# KiCad board Bread70.kicad_pcb (continued)
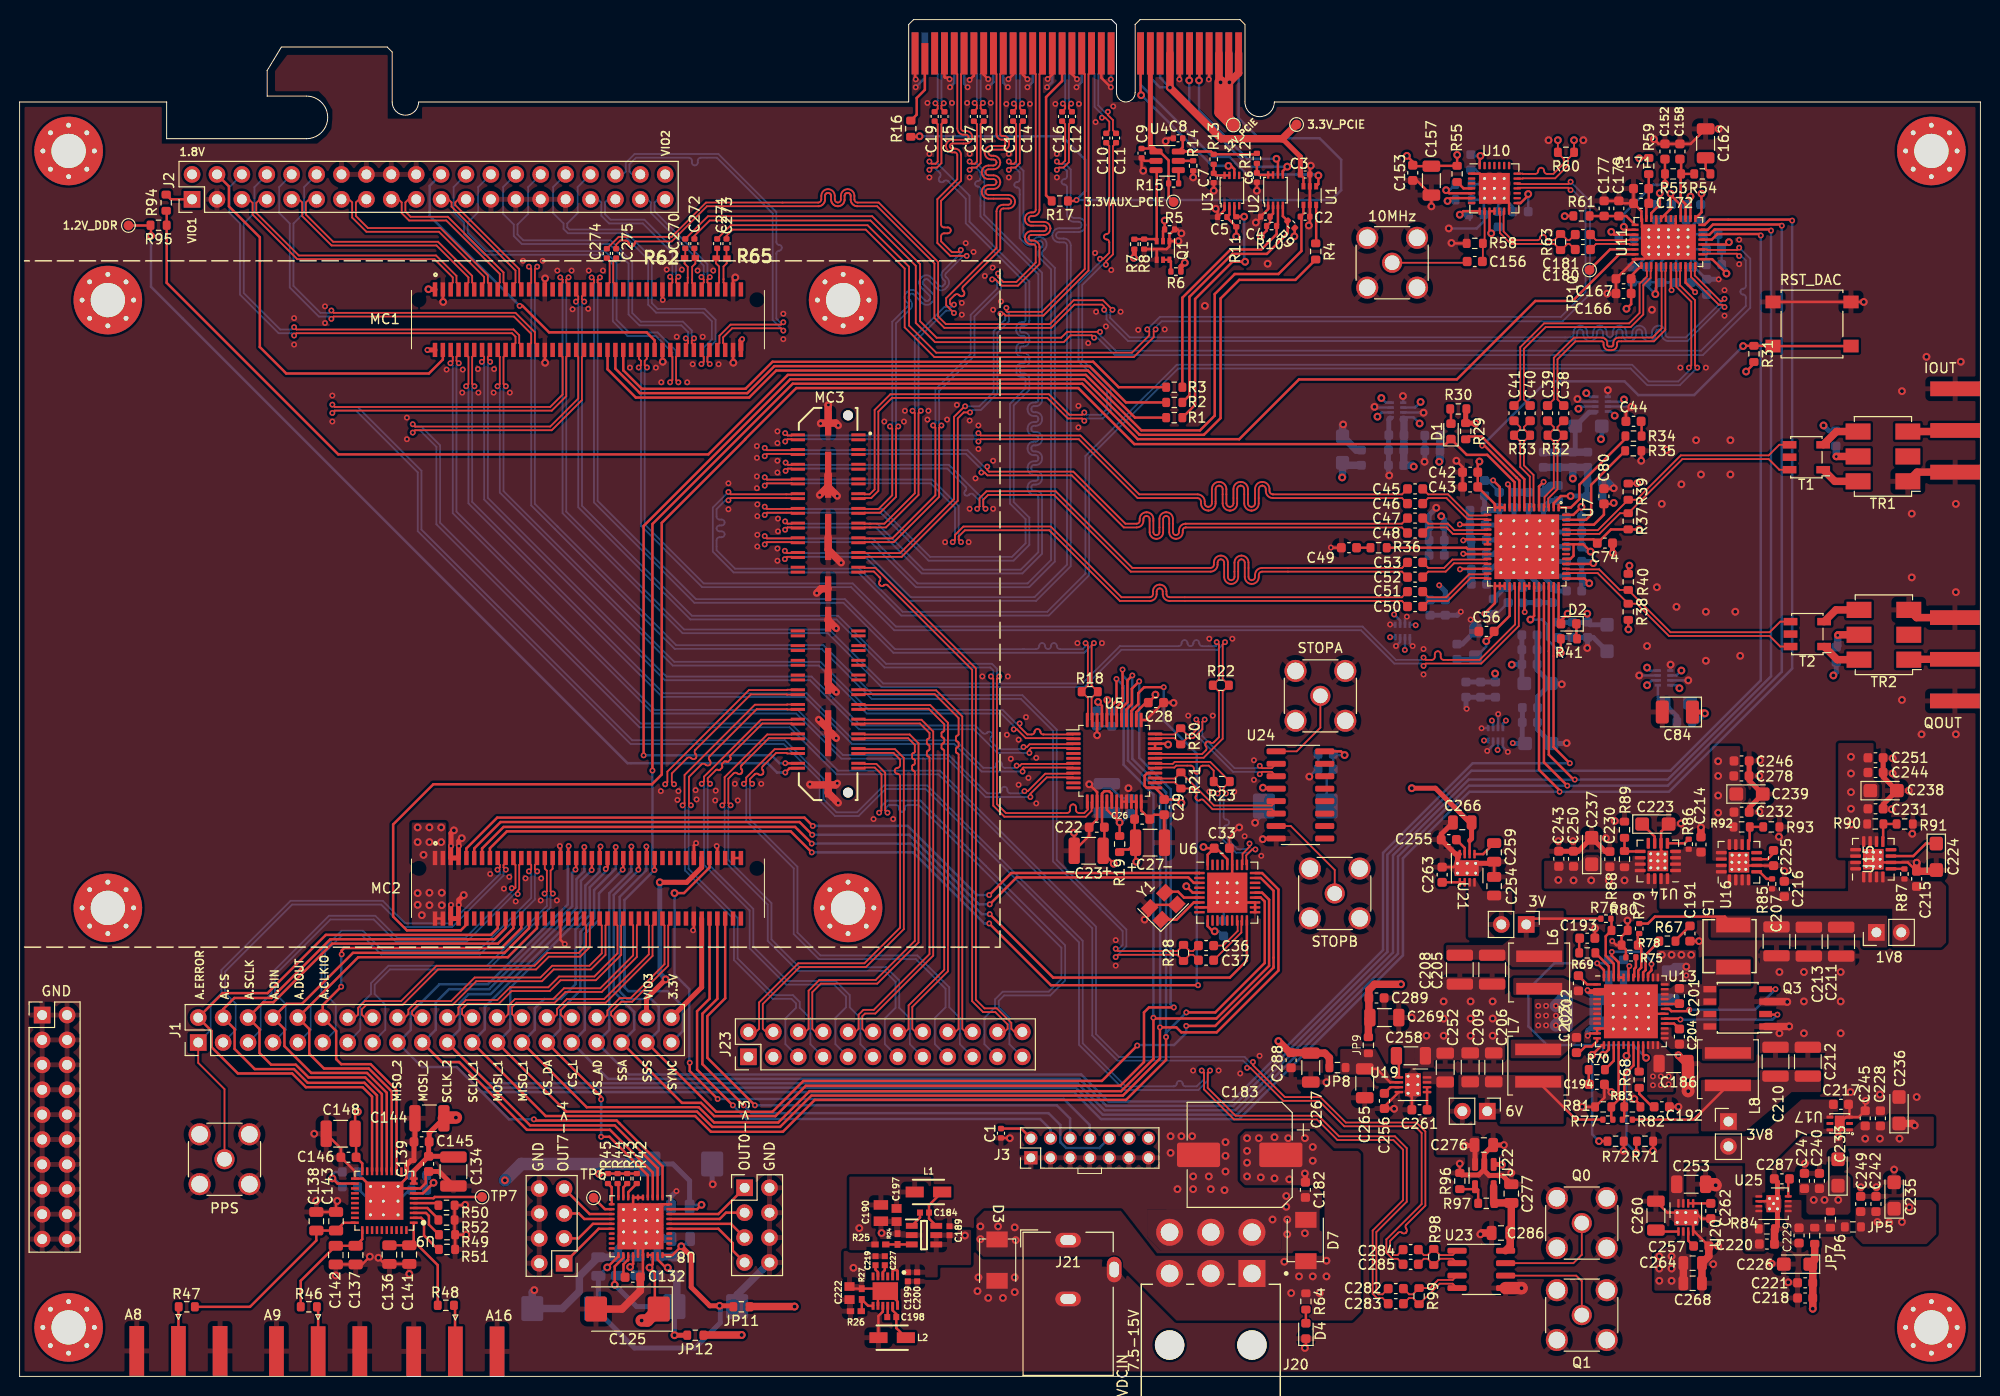
[diagram p0: board, top side]
## Library data of the parts (continued)
U20 U21 = -: Description: 600 mA, Ultralow Noise, High PSRR, RF Linear Regulator; Dis: Mouser; Man: Analog-Devices; Unitprice: 6.88
U22 = -: Description: LDO Voltage Regulators 300-mA, low-IQ, high-PSRR, low-dropout (LDO) voltage regulator with high accuracy and enable 5-SOT-23 -40 to 125; Dis: Mouser; Man: TI; Unitprice: 0.752
U23 = -: Description: Translation - Voltage Levels 3.3V Dual Diff LVPECL to LVTTL; Dis: Mouser; Man: ON-Semi; Unitprice: 11.57
U24 = -: Description: LVDS Interface IC LVDS quad CMOS differential line driver 16-SOIC -40 to 85; Dis: Mouser; Man: TI; Unitprice: 2.93
U25 = -: Description: LDO Voltage Regulators 1A Low Dropout Linear regulators; Dis: Mouser; Man: Analog Devices
Y1 = -: Description: Four pin crystal, GND on pins 2 and 4; Dis: Mouser; Man: ECS; Part: ECS-1142.85-18-33-JTN-TR; Unitprice: 1.16

## Footprints (pads in the part's own frame, mm; a bottom-side part is the same pattern mirrored in y, then rotated)
40 QFN 5x7mm_pitch 0.5mm_EP3.6x5.6mm
  rect 0.7x0.25 smd: 1(-2.4,2.75) 2(-2.4,2.25) 3(-2.4,1.75) 4(-2.4,1.25) 5(-2.4,0.75) 6(-2.4,0.25) 7(-2.4,-0.25) 8(-2.4,-0.75) 9(-2.4,-1.25) 10(-2.4,-1.75) 11(-2.4,-2.25) 12(-2.4,-2.75) 21(2.4,-2.75) 22(2.4,-2.25) 23(2.4,-1.75) 24(2.4,-1.25) 25(2.4,-0.75) 26(2.4,-0.25) 27(2.4,0.25) 28(2.4,0.75) 29(2.4,1.25) 30(2.4,1.75) 31(2.4,2.25) 32(2.4,2.75)
  rect 0.25x0.7 smd: 13(-1.75,-3.4) 14(-1.25,-3.4) 15(-0.75,-3.4) 16(-0.25,-3.4) 17(0.25,-3.4) 18(0.75,-3.4) 19(1.25,-3.4) 20(1.75,-3.4) 33(1.75,3.4) 34(1.25,3.4) 35(0.75,3.4) 36(0.25,3.4) 37(-0.25,3.4) 38(-0.75,3.4) 39(-1.25,3.4) 40(-1.75,3.4)
  round 0.6 hole 0.3: 41(-1.25,2) 41(-1.25,1) 41(-1.25,0) 41(-1.25,-1) 41(-1.25,-2) 41(-0.5,2) 41(-0.5,1) 41(-0.5,0) 41(-0.5,-1) 41(-0.5,-2) 41(0.5,2) 41(0.5,1) 41(0.5,0) 41(0.5,-1) 41(0.5,-2) 41(1.25,2) 41(1.25,1) 41(1.25,0) 41(1.25,-1) 41(1.25,-2)
  rrect 3.6x5.6 smd: 41(0,0)
AD9152_LFCSP_56_8x8mm_P0.5mm_EP6.6x6.6mm
  rrect 0.8x0.25 smd: 1(0,0) 2(0,-0.5) 3(0,-1) 4(0,-1.5) 5(0,-2) 6(0,-2.5) 7(0,-3) 8(0,-3.5) 9(0,-4) 10(0,-4.5) 11(0,-5) 12(0,-5.5) 13(0,-6) 14(0,-6.5) 29(8,-6.5) 30(8,-6) 31(8,-5.5) 32(8,-5) 33(8,-4.5) 34(8,-4) 35(8,-3.5) 36(8,-3) 37(8,-2.5) 38(8,-2) 39(8,-1.5) 40(8,-1) 41(8,-0.5) 42(8,0)
  rrect 0.25x0.8 smd: 15(0.75,-7.25) 16(1.25,-7.25) 17(1.75,-7.25) 18(2.25,-7.25) 19(2.75,-7.25) 20(3.25,-7.25) 21(3.75,-7.25) 22(4.25,-7.25) 23(4.75,-7.25) 24(5.25,-7.25) 25(5.75,-7.25) 26(6.25,-7.25) 27(6.75,-7.25) 28(7.25,-7.25) 43(7.25,0.75) 44(6.75,0.75) 45(6.25,0.75) 46(5.75,0.75) 47(5.25,0.75) 48(4.75,0.75) 49(4.25,0.75) 50(3.75,0.75) 51(3.25,0.75) 52(2.75,0.75) 53(2.25,0.75) 54(1.75,0.75) 55(1.25,0.75) 56(0.75,0.75)
  round 0.6 hole 0.3: 57(1.35,-0.6) 57(1.35,-1.925) 57(1.35,-3.25) 57(1.35,-4.575) 57(1.35,-5.9) 57(2.675,-0.6) 57(2.675,-1.925) 57(2.675,-3.25) 57(2.675,-4.575) 57(2.675,-5.9) 57(4,-0.6) 57(4,-1.925) 57(4,-3.25) 57(4,-4.575) 57(4,-5.9) 57(5.325,-0.6) 57(5.325,-1.925) 57(5.325,-3.25) 57(5.325,-4.575) 57(5.325,-5.9) 57(6.65,-0.6) 57(6.65,-1.925) 57(6.65,-3.25) 57(6.65,-4.575) 57(6.65,-5.9)
  rect 6.6x6.6 smd: 57(4,-3.25)
BTE-040-YY-X-D-A
  round 0.001 hole 1.016 unplated: (-17.239,2.032) (17.239,2.032)
  rect 0.457x1.448 smd: 1(-15.6,3.086) 2(-15.6,-3.086) 3(-14.8,3.086) 4(-14.8,-3.086) 5(-14,3.086) 6(-14,-3.086) 7(-13.2,3.086) 8(-13.2,-3.086) 9(-12.4,3.086) 10(-12.4,-3.086) 11(-11.6,3.086) 12(-11.6,-3.086) 13(-10.8,3.086) 14(-10.8,-3.086) 15(-10,3.086) 16(-10,-3.086) 17(-9.2,3.086) 18(-9.2,-3.086) 19(-8.4,3.086) 20(-8.4,-3.086) 21(-7.6,3.086) 22(-7.6,-3.086) 23(-6.8,3.086) 24(-6.8,-3.086) 25(-6,3.086) 26(-6,-3.086) 27(-5.2,3.086) 28(-5.2,-3.086) 29(-4.4,3.086) 30(-4.4,-3.086) 31(-3.6,3.086) 32(-3.6,-3.086) 33(-2.8,3.086) 34(-2.8,-3.086) 35(-2,3.086) 36(-2,-3.086) 37(-1.2,3.086) 38(-1.2,-3.086) 39(-0.4,3.086) 40(-0.4,-3.086) 41(0.4,3.086) 42(0.4,-3.086) 43(1.2,3.086) 44(1.2,-3.086) 45(2,3.086) 46(2,-3.086) 47(2.8,3.086) 48(2.8,-3.086) 49(3.6,3.086) 50(3.6,-3.086) 51(4.4,3.086) 52(4.4,-3.086) 53(5.2,3.086) 54(5.2,-3.086) 55(6,3.086) 56(6,-3.086) 57(6.8,3.086) 58(6.8,-3.086) 59(7.6,3.086) 60(7.6,-3.086) 61(8.4,3.086) 62(8.4,-3.086) 63(9.2,3.086) 64(9.2,-3.086) 65(10,3.086) 66(10,-3.086) 67(10.8,3.086) 68(10.8,-3.086) 69(11.6,3.086) 70(11.6,-3.086) 71(12.4,3.086) 72(12.4,-3.086) 73(13.2,3.086) 74(13.2,-3.086) 75(14,3.086) 76(14,-3.086) 77(14.8,3.086) 78(14.8,-3.086) 79(15.6,3.086) 80(15.6,-3.086)
BUS_PCIexpress_x4
  rect 0.7x3.2 smd far side: A1(0,0.55)
  rect 0.7x4.3 smd far side: A2(1,0) A3(2,0) A4(3,0) A5(4,0) A6(5,0) A7(6,0) A8(7,0) A9(8,0) A10(9,0) A11(10,0) A12(13,0) A13(14,0) A14(15,0) A15(16,0) A16(17,0) A17(18,0) A18(19,0) A19(20,0) A20(21,0) A21(22,0) A22(23,0) A23(24,0) A24(25,0) A25(26,0) A26(27,0) A27(28,0) A28(29,0) A29(30,0) A30(31,0) A31(32,0) A32(33,0)
  rect 0.7x4.3 smd: B1(0,0) B2(1,0) B3(2,0) B4(3,0) B5(4,0) B6(5,0) B7(6,0) B8(7,0) B9(8,0) B10(9,0) B11(10,0) B12(13,0) B13(14,0) B14(15,0) B15(16,0) B16(17,0) B17(18,0) B18(19,0) B19(20,0) B20(21,0) B21(22,0) B22(23,0) B23(24,0) B24(25,0) B25(26,0) B26(27,0) B27(28,0) B28(29,0) B29(30,0) B30(31,0) B32(33,0)
  rect 0.7x3.2 smd: B31(32,0.55)
C_0402_1005Metric
  rrect 0.56x0.62 smd: 1(-0.48,0) 2(0.48,0)
C_0603_1608Metric
  rrect 0.9x0.95 smd: 1(-0.775,0) 2(0.775,0)
C_0805_2012Metric
  rrect 1x1.45 smd: 1(-0.95,0) 2(0.95,0)
C_1206_3216Metric
  rrect 1.15x1.8 smd: 1(-1.475,0) 2(1.475,0)
C_1210_3225Metric
  rrect 1.15x2.7 smd: 1(-1.475,0) 2(1.475,0)
C_SMD_Arrayx4_0508
  rect 0.64x0.28 smd: 1(0,0) 2(0,-0.5) 3(0,-1) 4(0,-1.5) 5(1.27,-1.5) 6(1.27,-1) 7(1.27,-0.5) 8(1.27,0)
CAPC1005X55N
  rect 0.6x0.62 smd: 1(-0.46,0) 2(0.46,0)
CAPC1608X100N
  rect 0.89x1.02 smd: 1(-0.67,0) 2(0.67,0)
CAPC2012X145N
  rect 0.97x1.47 smd: 1(-0.83,0) 2(0.83,0)
CP_EIA-3216-18_Kemet-A
  rrect 1.4x1.35 smd: 1(-1.35,0) 2(1.35,0)
CP_EIA-3528-21_Kemet-B
  rrect 1.325x2.35 smd: 1(-1.538,0) 2(1.538,0)
CP_EIA-7343-20_Kemet-V_Pad2.25x2.55mm_HandSolder
  rrect 2.25x2.55 smd: 1(-3.2,0) 2(3.2,0)
CP_Elec_10x10.5
  rrect 4.4x2.5 smd: 1(-4.2,0) 2(4.2,0)
Crystal_SMD_3225-4Pin_3.2x2.5mm
  rect 1.4x1.2 smd: 1(-1.1,-0.85) 2(1.1,-0.85) 3(1.1,0.85) 4(-1.1,0.85)
CUI_JP-102AH
  oval 2.6x1.5 hole 1.6x1: 1(0,2.75) 2(0,-3.25)
  oval 1.5x2.6 hole 1x1.6: 3(4.7,-0.25)
DO-214AA-2
  rect 1.62x2.18 smd: 1(-2.11,0) 2(2.11,0)
INDM3225X240N
  rect 1.85x1.1 smd: 1(-1.4,0) 2(1.4,0)
Infineon_PG-DSO-8-43
  rect 1.31x0.65 smd: 1(-2.845,1.905) 2(-2.845,0.635) 3(-2.845,-0.635) 5(2.845,-1.905) 6(2.845,-0.635) 7(2.845,0.635) 8(2.845,1.905)
  rect 1.31x0.6 smd: 4(-2.845,-1.905)
L_Bourns_SRP0515-1R0K
  rect 1.5x3.5 smd: 1(2.15,0) 2(-2.15,0)
L_Coilcraft_XAL5030-XXX
  rect 1.18x4.7 smd: 1(-1.655,0) 2(1.655,0)
LED_0603_1608Metric
  rrect 0.875x0.95 smd: 1(-0.787,0) 2(0.787,0)
LFCSP48_7x7_P0.5_EP5.6x5.6_ThermalVias
  rrect 1.14x1.14 smd: (-1.37,1.37) (-1.37,0) (-1.37,-1.37) (0,1.37) (0,0) (0,-1.37) (1.37,1.37) (1.37,0) (1.37,-1.37)
  rrect 0.8x0.25 smd: 1(-3.45,2.75) 2(-3.45,2.25) 3(-3.45,1.75) 4(-3.45,1.25) 5(-3.45,0.75) 6(-3.45,0.25) 7(-3.45,-0.25) 8(-3.45,-0.75) 9(-3.45,-1.25) 10(-3.45,-1.75) 11(-3.45,-2.25) 12(-3.45,-2.75) 25(3.45,-2.75) 26(3.45,-2.25) 27(3.45,-1.75) 28(3.45,-1.25) 29(3.45,-0.75) 30(3.45,-0.25) 31(3.45,0.25) 32(3.45,0.75) 33(3.45,1.25) 34(3.45,1.75) 35(3.45,2.25) 36(3.45,2.75)
  rrect 0.25x0.8 smd: 13(-2.75,-3.45) 14(-2.25,-3.45) 15(-1.75,-3.45) 16(-1.25,-3.45) 17(-0.75,-3.45) 18(-0.25,-3.45) 19(0.25,-3.45) 20(0.75,-3.45) 21(1.25,-3.45) 22(1.75,-3.45) 23(2.25,-3.45) 24(2.75,-3.45) 37(2.75,3.45) 38(2.25,3.45) 39(1.75,3.45) 40(1.25,3.45) 41(0.75,3.45) 42(0.25,3.45) 43(-0.25,3.45) 44(-0.75,3.45) 45(-1.25,3.45) 46(-1.75,3.45) 47(-2.25,3.45) 48(-2.75,3.45)
  round 0.6 hole 0.3: 49(-1.8,1.8) 49(-1.8,0.6) 49(-1.8,-0.6) 49(-1.8,-1.8) 49(-0.6,1.8) 49(-0.6,0.6) 49(-0.6,-0.6) 49(-0.6,-1.8) 49(0.6,1.8) 49(0.6,0.6) 49(0.6,-0.6) 49(0.6,-1.8) 49(1.8,1.8) 49(1.8,0.6) 49(1.8,-0.6) 49(1.8,-1.8)
  rect 4.1x4.1 smd far side: 49(0,0)
  rect 5.5x5.5 smd: 49(0,0)
LFCSP-8-1EP_3x3mm_P0.5mm_EP1.6x2.34mm_ThermalVias
  rrect 0.69x1.01 smd: (-0.4,0.585) (-0.4,-0.585) (0.4,0.585) (0.4,-0.585)
  rrect 0.875x0.25 smd: 1(-1.438,0.75) 2(-1.438,0.25) 3(-1.438,-0.25) 4(-1.438,-0.75) 5(1.438,-0.75) 6(1.438,-0.25) 7(1.438,0.25) 8(1.438,0.75)
  round 0.6 hole 0.3: 9(-0.5,0.87) 9(-0.5,0) 9(-0.5,-0.87) 9(0.5,0.87) 9(0.5,0) 9(0.5,-0.87)
  rect 1.6x2.34 smd: 9(0,0)
  rect 1.6x2.34 smd far side: 9(0,0)
LFCSP-8-1EP_3x3mm_P0.5mm_EP1.6x2.44mm_ThermalVias
  rrect 0.69x1.01 smd: (-0.4,0.585) (-0.4,-0.535) (0.4,0.635) (0.4,-0.535)
  rrect 0.875x0.25 smd: 1(-1.438,0.8) 2(-1.438,0.3) 3(-1.438,-0.2) 4(-1.438,-0.7) 5(1.438,-0.7) 6(1.438,-0.2) 7(1.438,0.3) 8(1.438,0.8)
  round 0.6 hole 0.3: 9(-0.5,0.92) 9(-0.5,0.05) 9(-0.5,-0.938) 9(0.5,0.92) 9(0.5,0.05) 9(0.5,-0.938)
  rect 1.6x2.44 smd: 9(0,0)
  rect 1.6x2.44 smd far side: 9(0,0)
LFCSP-8_3x3mm_P0.5_EP1.45x1.74
  rrect 0.58x0.7 smd: (1.135,-0.315) (1.135,-1.185) (1.865,-0.315) (1.865,-1.185)
  rrect 0.7x0.25 smd: 1(0,0) 2(0,-0.5) 3(0,-1) 4(0,-1.5) 5(3,-1.5) 6(3,-1) 7(3,-0.5) 8(3,0)
  round 0.6 hole 0.3: 9(1.1,-0.225) 9(1.1,-1.275) 9(1.5,-0.75) 9(1.9,-0.225) 9(1.9,-1.275)
  rect 1.45x1.74 smd: 9(1.5,-0.75)
LFCSP-16-EP2.1x2.1_P0.65mm
  rect 0.9x0.9 smd: (-0.525,0.525) (-0.525,-0.525) (0.525,0.525) (0.525,-0.525)
  rrect 1.105x0.35 smd: 1(-1.802,0.975) 2(-1.802,0.325) 3(-1.802,-0.325) 4(-1.802,-0.975) 9(1.802,-0.975) 10(1.802,-0.325) 11(1.802,0.325) 12(1.802,0.975)
  rrect 0.35x1.105 smd: 5(-0.975,-1.802) 6(-0.325,-1.802) 7(0.325,-1.802) 8(0.975,-1.802) 13(0.975,1.802) 14(0.325,1.802) 15(-0.325,1.802) 16(-0.975,1.802)
  round 0.6 hole 0.3: 17(-0.725,0.725) 17(-0.725,0) 17(-0.725,-0.7) 17(0,0.725) 17(0,0) 17(0,-0.7) 17(0.725,0.7) 17(0.725,-0.025) 17(0.725,-0.725)
  rect 2.1x2.1 smd: 17(0,0)
LFCSP_6_P0.65mm_EP1x1.6mm_2x2mm
  rrect 0.7x0.3 smd: 1(0,0) 2(0,-0.65) 3(0,-1.3) 4(2,-1.3) 5(2,-0.65) 6(2,0)
  rrect 1x1.6 smd: 7(1,-0.65)
LFCSP_WQ_40_6 mm × 6 mm_P0.5mm_EP3.9x3.9mm
  rect 0.8x0.25 smd: 1(0,0) 2(0,-0.5) 3(0,-1) 4(0,-1.5) 5(0,-2) 6(0,-2.5) 7(0,-3) 8(0,-3.5) 9(0,-4) 10(0,-4.5) 21(6,-4.5) 22(6,-4) 23(6,-3.5) 24(6,-3) 25(6,-2.5) 26(6,-2) 27(6,-1.5) 28(6,-1) 29(6,-0.5) 30(6,0)
  rect 0.25x0.8 smd: 11(0.75,-5.25) 12(1.25,-5.25) 13(1.75,-5.25) 14(2.25,-5.25) 15(2.75,-5.25) 16(3.25,-5.25) 17(3.75,-5.25) 18(4.25,-5.25) 19(4.75,-5.25) 20(5.25,-5.25) 31(5.25,0.75) 32(4.75,0.75) 33(4.25,0.75) 34(3.75,0.75) 35(3.25,0.75) 36(2.75,0.75) 37(2.25,0.75) 38(1.75,0.75) 39(1.25,0.75) 40(0.75,0.75)
  round 0.6 hole 0.3: 41(1.6,-0.8) 41(1.6,-2.2) 41(1.6,-3.7) 41(3.1,-0.8) 41(3.1,-2.2) 41(3.1,-3.7) 41(4.4,-0.8) 41(4.4,-2.2) 41(4.4,-3.7)
  rect 3.9x3.9 smd: 41(3,-2.25)
LQFP-48_7x7mm_P0.5mm
  rrect 1.475x0.3 smd: 1(-4.162,2.75) 2(-4.162,2.25) 3(-4.162,1.75) 4(-4.162,1.25) 5(-4.162,0.75) 6(-4.162,0.25) 7(-4.162,-0.25) 8(-4.162,-0.75) 9(-4.162,-1.25) 10(-4.162,-1.75) 11(-4.162,-2.25) 12(-4.162,-2.75) 25(4.162,-2.75) 26(4.162,-2.25) 27(4.162,-1.75) 28(4.162,-1.25) 29(4.162,-0.75) 30(4.162,-0.25) 31(4.162,0.25) 32(4.162,0.75) 33(4.162,1.25) 34(4.162,1.75) 35(4.162,2.25) 36(4.162,2.75)
  rrect 0.3x1.475 smd: 13(-2.75,-4.162) 14(-2.25,-4.162) 15(-1.75,-4.162) 16(-1.25,-4.162) 17(-0.75,-4.162) 18(-0.25,-4.162) 19(0.25,-4.162) 20(0.75,-4.162) 21(1.25,-4.162) 22(1.75,-4.162) 23(2.25,-4.162) 24(2.75,-4.162) 37(2.75,4.162) 38(2.25,4.162) 39(1.75,4.162) 40(1.25,4.162) 41(0.75,4.162) 42(0.25,4.162) 43(-0.25,4.162) 44(-0.75,4.162) 45(-1.25,4.162) 46(-1.75,4.162) 47(-2.25,4.162) 48(-2.75,4.162)
Mini-Circuits_CD542_H2.84mm
  rect 2.54x1.65 smd: 1(-2.54,2.54) 2(-2.54,0) 3(-2.54,-2.54) 4(2.54,-2.54) 5(2.54,0) 6(2.54,2.54)
Molex-455580003-Recommended_Land_Pattern_
  round 3 hole 3 unplated: (-4.2,-0.2) (4.2,-0.2)
  rect 2.75x2.75 hole 1.8: 1(-4.2,-7.5)
  round 2.75 hole 1.8: 2(0,-7.5) 3(4.2,-7.5) 4(-4.2,-11.7) 5(0,-11.7) 6(4.2,-11.7)
Molex_JTAG_14
  rect 1.35x1.35 hole 0.9: 1(-6,-1)
  oval 1.35x1.35 hole 0.9: 2(-6,1) 3(-4,-1) 4(-4,1) 5(-2,-1) 6(-2,1) 7(0,-1) 8(0,1) 9(2,-1) 10(2,1) 11(4,-1) 12(4,1) 13(6,-1) 14(6,1)
MountingHole_3.5mm_Pad_Via
  round 0.8 hole 0.5: 1(-2.625,0) 1(-1.856,1.856) 1(-1.856,-1.856) 1(0,2.625) 1(0,-2.625) 1(1.856,1.856) 1(1.856,-1.856) 1(2.625,0)
  round 7 hole 3.5: 1(0,0)
PinHeader_1x02_P2.54mm_Vertical
  rect 1.7x1.7 hole 1: 1(0,0)
  oval 1.7x1.7 hole 1: 2(0,-2.54)
PinHeader_2x04_P2.54mm_Vertical
  rect 1.7x1.7 hole 1: 1(0,0)
  oval 1.7x1.7 hole 1: 2(2.54,0) 3(0,-2.54) 4(2.54,-2.54) 5(0,-5.08) 6(2.54,-5.08) 7(0,-7.62) 8(2.54,-7.62)
PinHeader_2x10_P2.54mm_Vertical
  rect 1.7x1.7 hole 1: 1(0,0)
  oval 1.7x1.7 hole 1: 2(2.54,0) 3(0,-2.54) 4(2.54,-2.54) 5(0,-5.08) 6(2.54,-5.08) 7(0,-7.62) 8(2.54,-7.62) 9(0,-10.16) 10(2.54,-10.16) 11(0,-12.7) 12(2.54,-12.7) 13(0,-15.24) 14(2.54,-15.24) 15(0,-17.78) 16(2.54,-17.78) 17(0,-20.32) 18(2.54,-20.32) 19(0,-22.86) 20(2.54,-22.86)
PinHeader_2x12_P2.54mm_Vertical
  rect 1.7x1.7 hole 1: 1(0,0)
  oval 1.7x1.7 hole 1: 2(2.54,0) 3(0,-2.54) 4(2.54,-2.54) 5(0,-5.08) 6(2.54,-5.08) 7(0,-7.62) 8(2.54,-7.62) 9(0,-10.16) 10(2.54,-10.16) 11(0,-12.7) 12(2.54,-12.7) 13(0,-15.24) 14(2.54,-15.24) 15(0,-17.78) 16(2.54,-17.78) 17(0,-20.32) 18(2.54,-20.32) 19(0,-22.86) 20(2.54,-22.86) 21(0,-25.4) 22(2.54,-25.4) 23(0,-27.94) 24(2.54,-27.94)
PinHeader_2x20_P2.54mm_Vertical
  rect 1.7x1.7 hole 1: 1(0,0)
  oval 1.7x1.7 hole 1: 2(2.54,0) 3(0,-2.54) 4(2.54,-2.54) 5(0,-5.08) 6(2.54,-5.08) 7(0,-7.62) 8(2.54,-7.62) 9(0,-10.16) 10(2.54,-10.16) 11(0,-12.7) 12(2.54,-12.7) 13(0,-15.24) 14(2.54,-15.24) 15(0,-17.78) 16(2.54,-17.78) 17(0,-20.32) 18(2.54,-20.32) 19(0,-22.86) 20(2.54,-22.86) 21(0,-25.4) 22(2.54,-25.4) 23(0,-27.94) 24(2.54,-27.94) 25(0,-30.48) 26(2.54,-30.48) 27(0,-33.02) 28(2.54,-33.02) 29(0,-35.56) 30(2.54,-35.56) 31(0,-38.1) 32(2.54,-38.1) 33(0,-40.64) 34(2.54,-40.64) 35(0,-43.18) 36(2.54,-43.18) 37(0,-45.72) 38(2.54,-45.72) 39(0,-48.26) 40(2.54,-48.26)
QFN36_6x6_P0.5_EP4.1x4.1_ThermalVias
  rrect 0.847x0.847 smd: (-1.525,1.525) (-1.525,-1.525) (1.525,1.525) (1.525,-1.525)
  rrect 0.847x0.806 smd: (-1.525,0.5) (-1.525,-0.5) (1.525,0.5) (1.525,-0.5)
  rrect 0.806x0.847 smd: (-0.5,1.525) (-0.5,-1.525) (0.5,1.525) (0.5,-1.525)
  rrect 0.806x0.806 smd: (-0.5,0.5) (-0.5,-0.5) (0.5,0.5) (0.5,-0.5)
  rrect 1.075x0.25 smd: 1(-2.837,2) 2(-2.837,1.5) 3(-2.837,1) 4(-2.837,0.5) 5(-2.837,0) 6(-2.837,-0.5) 7(-2.837,-1) 8(-2.837,-1.5) 9(-2.837,-2) 19(2.837,-2) 20(2.837,-1.5) 21(2.837,-1) 22(2.837,-0.5) 23(2.837,0) 24(2.837,0.5) 25(2.837,1) 26(2.837,1.5) 27(2.837,2)
  rrect 0.25x1.075 smd: 10(-2,-2.837) 11(-1.5,-2.837) 12(-1,-2.837) 13(-0.5,-2.837) 14(0,-2.837) 15(0.5,-2.837) 16(1,-2.837) 17(1.5,-2.837) 18(2,-2.837) 28(2,2.837) 29(1.5,2.837) 30(1,2.837) 31(0.5,2.837) 32(0,2.837) 33(-0.5,2.837) 34(-1,2.837) 35(-1.5,2.837) 36(-2,2.837)
  round 0.6 hole 0.3: 37(-1,1) 37(-1,0) 37(-1,-1) 37(0,1) 37(0,0) 37(0,-1) 37(1,1) 37(1,0) 37(1,-1)
  rect 2.5x2.5 smd far side: 37(0,0)
  rect 4.1x4.1 smd: 37(0,0)
R_0402_1005Metric
  rrect 0.54x0.64 smd: 1(-0.51,0) 2(0.51,0)
R_0603_1608Metric
  rrect 0.8x0.95 smd: 1(-0.825,0) 2(0.825,0)
RESC1005X35N
  rect 0.7x0.6 smd: 1(-0.55,0) 2(0.55,0)
RESC1005X40N
  rect 0.75x0.6 smd: 1(-0.55,0) 2(0.55,0)
SAMTEC_QTH-040-01-X-D-DP-A
  round 1.02 hole 1.02 unplated: (-19.24,2.03) (19.24,2.03)
  rect 0.3x1.45 smd: 01(-17.25,3.09) 02(-17.25,-3.09) 03(-16.75,3.09) 04(-16.75,-3.09) 05(-15.75,3.09) 06(-15.75,-3.09) 07(-15.25,3.09) 08(-15.25,-3.09) 09(-14.25,3.09) 10(-14.25,-3.09) 11(-13.75,3.09) 12(-13.75,-3.09) 13(-12.75,3.09) 14(-12.75,-3.09) 15(-12.25,3.09) 16(-12.25,-3.09) 17(-11.25,3.09) 18(-11.25,-3.09) 19(-10.75,3.09) 20(-10.75,-3.09) 21(-9.75,3.09) 22(-9.75,-3.09) 23(-9.25,3.09) 24(-9.25,-3.09) 25(-8.25,3.09) 26(-8.25,-3.09) 27(-7.75,3.09) 28(-7.75,-3.09) 29(-6.75,3.09) 30(-6.75,-3.09) 31(-6.25,3.09) 32(-6.25,-3.09) 33(-5.25,3.09) 34(-5.25,-3.09) 35(-4.75,3.09) 36(-4.75,-3.09) 37(-3.75,3.09) 38(-3.75,-3.09) 39(-3.25,3.09) 40(-3.25,-3.09) 41(2.75,3.09) 42(2.75,-3.09) 43(3.25,3.09) 44(3.25,-3.09) 45(4.25,3.09) 46(4.25,-3.09) 47(4.75,3.09) 48(4.75,-3.09) 49(5.75,3.09) 50(5.75,-3.09) 51(6.25,3.09) 52(6.25,-3.09) 53(7.25,3.09) 54(7.25,-3.09) 55(7.75,3.09) 56(7.75,-3.09) 57(8.75,3.09) 58(8.75,-3.09) 59(9.25,3.09) 60(9.25,-3.09) 61(10.25,3.09) 62(10.25,-3.09) 63(10.75,3.09) 64(10.75,-3.09) 65(11.75,3.09) 66(11.75,-3.09) 67(12.25,3.09) 68(12.25,-3.09) 69(13.25,3.09) 70(13.25,-3.09) 71(13.75,3.09) 72(13.75,-3.09) 73(14.75,3.09) 74(14.75,-3.09) 75(15.25,3.09) 76(15.25,-3.09) 77(16.25,3.09) 78(16.25,-3.09) 79(16.75,3.09) 80(16.75,-3.09)
  rect 2.54x0.64 smd: G1(-18.45,0) G4(-1.56,0) G5(1.56,0) G8(18.45,0)
  rect 4.7x0.64 smd: G2(-13.18,0) G3(-6.83,0) G6(6.83,0) G7(13.18,0)
SMA_Amphenol_132134_Vertical
  round 2.05 hole 1.5: 1(0,0)
  round 2.25 hole 1.7: 2(-2.54,2.54) 2(-2.54,-2.54) 2(2.54,2.54) 2(2.54,-2.54)
SMA_Amphenol_132289_EdgeMount
  rect 5.08x1.5 smd: 1(0,0) 2(0,4.25) 2(0,-4.25)
  rect 5.08x1.5 smd far side: 2(0,4.25) 2(0,-4.25)
SOIC-8_3.9x4.9mm_P1.27mm
  rrect 1.95x0.6 smd: 1(-2.475,1.905) 2(-2.475,0.635) 3(-2.475,-0.635) 4(-2.475,-1.905) 5(2.475,-1.905) 6(2.475,-0.635) 7(2.475,0.635) 8(2.475,1.905)
SOIC-16_3.9x9.9mm_P1.27mm
  rrect 1.95x0.6 smd: 1(-2.475,4.445) 2(-2.475,3.175) 3(-2.475,1.905) 4(-2.475,0.635) 5(-2.475,-0.635) 6(-2.475,-1.905) 7(-2.475,-3.175) 8(-2.475,-4.445) 9(2.475,-4.445) 10(2.475,-3.175) 11(2.475,-1.905) 12(2.475,-0.635) 13(2.475,0.635) 14(2.475,1.905) 15(2.475,3.175) 16(2.475,4.445)
SON50P300X300X80-13N
  rect 0.8x0.3 smd: 1(-1.5,1.25) 2(-1.5,0.75) 3(-1.5,0.25) 4(-1.5,-0.25) 5(-1.5,-0.75) 6(-1.5,-1.25) 7(1.5,-1.25) 8(1.5,-0.75) 9(1.5,-0.25) 10(1.5,0.25) 11(1.5,0.75) 12(1.5,1.25)
  rect 1.8x2.6 smd: 13(0,0)
SOT95P280X145-6N
  rect 1.2x0.6 smd: 1(-1.25,0.95) 2(-1.25,0) 3(-1.25,-0.95) 4(1.25,-0.95) 5(1.25,0) 6(1.25,0.95)
SOT-23-5
  rrect 1.325x0.6 smd: 1(-1.137,0.95) 2(-1.137,0) 3(-1.137,-0.95) 4(1.137,-0.95) 5(1.137,0.95)
SOT-23-6
  rrect 1.325x0.6 smd: 1(-1.137,0.95) 2(-1.137,0) 3(-1.137,-0.95) 4(1.137,-0.95) 5(1.137,0) 6(1.137,0.95)
SOT-363_SC-70-6
  rect 0.65x0.4 smd: 1(-0.95,0.65) 2(-0.95,0) 3(-0.95,-0.65) 4(0.95,-0.65) 5(0.95,0) 6(0.95,0.65)
SW_SPST_B3S-1000
  rect 1.55x1.3 smd: 1(-3.975,2.25) 1(3.975,2.25) 2(-3.975,-2.25) 2(3.975,-2.25)
TestPoint_Pad_D1.0mm
  round 1 smd: 1(0,0)
Transformer_MACOM_SM-22
  rect 1.4x0.76 smd: 1(-1.715,1.27) 2(-1.715,-1.27) 3(1.715,-1.27) 4(1.715,0) 5(1.715,1.27)
VQFN-28_5x5mm_P0.5_EP3.15x3.15_Thermal Vias
  custom 0.544x0.544 smd: (1.087,-1.087) (1.087,-3.562) (3.562,-1.087) (3.562,-3.562)
  custom 0.544x0.806 smd: (1.087,-1.825) (1.087,-2.825) (3.562,-1.825) (3.562,-2.825)
  custom 0.806x0.544 smd: (1.825,-1.087) (1.825,-3.562) (2.825,-1.087) (2.825,-3.562)
  rrect 0.806x0.806 smd: (1.825,-1.825) (1.825,-2.825) (2.825,-1.825) (2.825,-2.825)
  rrect 0.75x0.24 smd: 1(0,-0.825) 2(0,-1.325) 3(0,-1.825) 4(0,-2.325) 5(0,-2.825) 6(0,-3.325) 7(0,-3.825) 15(4.65,-3.825) 16(4.65,-3.325) 17(4.65,-2.825) 18(4.65,-2.325) 19(4.65,-1.825) 20(4.65,-1.325) 21(4.65,-0.825)
  rrect 0.24x0.75 smd: 8(0.825,-4.65) 9(1.325,-4.65) 10(1.825,-4.65) 11(2.325,-4.65) 12(2.825,-4.65) 13(3.325,-4.65) 14(3.825,-4.65) 22(3.825,0) 23(3.325,0) 24(2.825,0) 25(2.325,0) 26(1.825,0) 27(1.325,0) 28(0.825,0)
  round 0.6 hole 0.3: 29(1.325,-1.325) 29(1.325,-2.325) 29(1.325,-3.325) 29(2.325,-1.325) 29(2.325,-2.325) 29(2.325,-3.325) 29(3.325,-1.325) 29(3.325,-2.325) 29(3.325,-3.325)
  rect 2.5x2.5 smd far side: 29(2.325,-2.325)
  rect 3.15x3.15 smd: 29(2.325,-2.325)
VQFN-40_P0.5mm_EP4.7x4.7mm
  rrect 1.3x1.3 smd: (-1.15,1.15) (-1.15,0) (-1.15,-1.15) (0,1.15) (0,0) (0,-1.15) (1.15,1.15) (1.15,0) (1.15,-1.15)
  rrect 0.6x0.25 smd: 1(-2.938,2.25) 2(-2.938,1.75) 3(-2.938,1.25) 4(-2.938,0.75) 5(-2.938,0.25) 6(-2.938,-0.25) 7(-2.938,-0.75) 8(-2.938,-1.25) 9(-2.938,-1.75) 10(-2.938,-2.25) 21(2.938,-2.25) 22(2.938,-1.75) 23(2.938,-1.25) 24(2.938,-0.75) 25(2.938,-0.25) 26(2.938,0.25) 27(2.938,0.75) 28(2.938,1.25) 29(2.938,1.75) 30(2.938,2.25)
  rrect 0.25x0.6 smd: 11(-2.25,-2.938) 12(-1.75,-2.938) 13(-1.25,-2.938) 14(-0.75,-2.938) 15(-0.25,-2.938) 16(0.25,-2.938) 17(0.75,-2.938) 18(1.25,-2.938) 19(1.75,-2.938) 20(2.25,-2.938) 31(2.25,2.938) 32(1.75,2.938) 33(1.25,2.938) 34(0.75,2.938) 35(0.25,2.938) 36(-0.25,2.938) 37(-0.75,2.938) 38(-1.25,2.938) 39(-1.75,2.938) 40(-2.25,2.938)
  round 0.6 hole 0.3: 41(-1.725,1.725) 41(-1.725,0.575) 41(-1.725,-0.575) 41(-1.725,-1.725) 41(-0.575,1.725) 41(-0.575,0.575) 41(-0.575,-0.575) 41(-0.575,-1.725) 41(0.575,1.725) 41(0.575,0.575) 41(0.575,-0.575) 41(0.575,-1.725) 41(1.725,1.725) 41(1.725,0.575) 41(1.725,-0.575) 41(1.725,-1.725)
  rect 3.95x3.95 smd far side: 41(0,0)
  rect 4.7x4.7 smd: 41(0,0)
VSSOP-8_2.4x2.1mm_P0.5mm
  rect 0.75x0.25 smd: 1(-1.55,0.75) 2(-1.55,0.25) 3(-1.55,-0.25) 4(-1.55,-0.75) 5(1.55,-0.75) 6(1.55,-0.25) 7(1.55,0.25) 8(1.55,0.75)

## Nets
3V3: C21.2 C22.1 C23.1 C29.2 C30.1 C32.1 C33.2 C34.1 C35.1 C264.1 C268.1 U5.16 U5.18 U5.25 U5.28 U5.33 U5.34 U5.45 U6.5 U6.10 U6.32 U6.36 U20.2 U24.4 U24.16
5V: C265.1 JP8.1 JP9.1 U19.2
+1.2V_DDR: J7.80 R95.2 TP4.1
+1.8V: C1.1 J2.2 J3.2 J5.2
+3.3V: J1.40 J4.70 R6.1 R7.1
/AD9152/AVDD33: C54.1 C55.1 C58.2 C58.4 C58.6 C58.8 C62.2 C67.2 C71.2 C74.2 C77.2 C80.2 C84.1 C86.1 C228.1 C236.1 C245.1 R37.2 R38.2 R39.2 R40.2 U7.43 U7.46 U7.51 U7.54 U17.1
/AD9152/DVDD12: C88.2 C88.4 C88.6 C88.8 C91.2 C92.2 C96.2 C97.2 C101.2 C102.2 C106.2 C107.2 C111.2 C112.2 C116.2 C117.2 C120.2 C121.1 C124.1 C232.1 C239.1 C246.1 C278.1 R92.1 U7.11 U7.35 U7.36 U16.10 U16.11 U16.12 U16.13 U16.14
/AD9152/DVDD12_CLK: C89.2 C89.4 C89.6 C89.8 C93.2 C94.2 C98.2 C99.2 C103.2 C104.2 C108.2 C109.2 C113.2 C114.2 C118.2 C122.1 C231.1 C238.1 C244.1 C251.1 R90.1 U7.2 U7.5 U7.47 U7.50 U7.56 U15.10 U15.11 U15.12 U15.13 U15.14
/AD9152/DVDD12_SERDES: C42.1 C43.1 C59.2 C59.4 C59.6 C59.8 C64.2 C65.2 C68.2 C69.2 C72.2 C73.2 C75.2 C76.2 C78.2 C79.2 C81.2 C82.2 C83.2 C85.2 C87.2 C87.4 C87.6 C87.8 C90.2 C95.2 C100.2 C105.2 C110.2 C115.2 C119.2 C123.1 C230.1 C237.1 C243.1 C250.1 R88.1 U7.12 U7.13 U7.14 U7.17 U7.20 U7.21 U7.23 U7.26 U7.29 U7.30 U7.31 U14.10 U14.11 U14.12 U14.13 U14.14
/Adc_Dac/VCC: C129.1 C133.1 C281.1 JP11.2 U8.31 U8.40
/Clocks/VCC25: C153.1 C157.1 C161.2 C165.2 C168.2 C266.1 R55.1 U10.8 U10.15 U10.28 U21.2
/MC12/GNDADC: J4.77 J4.79
/MC12/VCCADC: J4.75
/PCIe/+3.3V_PCIE_C: C3.1 J8.A9 J8.A10 J8.B8 TP3.1 U1.6
/PCIe/+3.3VAUX_PCIE: C8.1 R12.2 R13.2 U4.6
/PCIe/+3.3VAUX_PCIE_C: C9.1 J8.B10 R15.2 TP2.1 U4.1
/PCIe/+12V_PCIE_C: J8.A2 J8.A3 J8.B1 J8.B2 J8.B3 TP1.1
/Power/LDO/1V8: C214.1 C215.1 C216.1 JP4.2 R85.2 R86.1 R87.1 U14.1 U14.2 U14.3 U14.4 U14.15 U14.16 U15.1 U15.2 U15.3 U15.4 U15.15 U15.16 U16.1 U16.2 U16.3 U16.4 U16.15 U16.16
/Power/LDO/3V: C254.1 JP2.2 U21.7 U21.8
/Power/LDO/3V8: C217.1 C220.1 C253.1 JP3.2 R84.1 U17.4 U17.6 U20.7 U20.8 U25.1 U25.3 U25.4
/Power/LDO/6V: C252.1 C276.1 JP1.2 U19.7 U19.8 U22.1 U22.3
/Power/Switching/1V8: C207.1 C211.1 C213.1 JP4.1 L5.2 R79.2
/Power/Switching/3V: C205.2 C208.2 JP2.1 L6.2 R76.2
/Power/Switching/3V8: C210.2 C212.2 JP3.1 L8.2 R82.2
/Power/Switching/6V: C206.2 C209.2 JP1.1 L7.2 R77.2
/Power/Switching/10.5V: C190.1 C197.1 JP11.1 L1.2 R25.1
/Power/Switching/-10.5V: C219.2 C222.1 C227.1 IC2.8 IC2.12 IC2.13 JP12.1 R27.2
/Power/Switching/VDD: C195.2 U13.43
/Tdc/DVDD18: C20.2 C24.1 C25.1 R19.2 U5.17 U5.19 U5.44
GND: C1.2 C2.2 C3.2 C4.2 C5.2 C6.2 C7.2 C8.2 C9.2 C20.1 C21.1 C22.2 C23.2 C24.2 C25.2 C26.2 C27.2 C28.1 C29.1 C30.2 C32.2 C33.1 C34.2 C35.2 C42.2 C43.2 C44.1 C49.2 C56.1 C57.1 C58.1 C58.3 C58.5 C58.7 C59.1 C59.3 C59.5 C59.7 C60.1 C61.1 C62.1 C63.1 C64.1 C65.1 C66.2 C67.1 C68.1 C69.1 C70.2 C71.1 C72.1 C73.1 C74.1 C75.1 C76.1 C77.1 C78.1 C79.1 C80.1 C81.1 C82.1 C83.1 C84.2 C85.1 C86.2 C87.1 C87.3 C87.5 C87.7 C88.1 C88.3 C88.5 C88.7 C89.1 C89.3 C89.5 C89.7 C90.1 C91.1 C92.1 C93.1 C94.1 C95.1 C96.1 C97.1 C98.1 C99.1 C100.1 C101.1 C102.1 C103.1 C104.1 C105.1 C106.1 C107.1 C108.1 C109.1 C110.1 C111.1 C112.1 C113.1 C114.1 C115.1 C116.1 C117.1 C118.1 C119.1 C120.1 C121.2 C122.2 C123.2 C124.2 C125.2 C126.1 C127.2 C128.2 C129.2 C130.2 C131.1 C132.1 C133.2 C134.2 C135.1 C136.2 C137.2 C138.2 C139.2 C140.1 C141.2 C142.2 C143.2 C144.2 C145.2 C146.2 C147.1 C148.2 C149.1 C150.2 C151.1 C152.1 C153.2 C154.2 C155.1 C157.2 C158.1 C159.2 C160.1 C161.1 C162.1 C163.2 C164.1 C165.1 C166.2 C167.1 C168.1 C169.2 C170.1 C171.2 C172.2 C173.1 C174.1 C175.1 C176.1 C177.2 C178.1 C179.2 C182.2 C183.2 C185.2 C186.2 C187.2 C188.2 C189.1 C190.2 C191.1 C192.1 C193.1 C194.1 C195.1 C196.1 C197.2 C199.1 C200.1 C205.1 C206.1 C207.2 C208.1 C209.1 C210.1 C211.2 C212.1 C213.2 C214.2 C215.2 C216.2 C217.2 C218.2 C220.2 C221.2 C222.2 C223.2 C224.2 C225.1 C226.2 C228.2 C229.2 C230.2 C231.2 C232.2 C233.2 C235.2 C236.2 C237.2 C238.2 C239.2 C240.2 C242.2 C243.2 C244.2 C245.2 C246.2 C247.2 C249.2 C250.2 C251.2 C252.2 C253.2 C254.2 C255.2 C256.2 C257.2 C258.2 C259.2 C260.2 C261.2 C262.2 C263.2 C264.2 C265.2 C266.2 C267.2 C268.2 C269.2 C276.2 C277.2 C278.2 C279.2 C280.2 C281.2 C286.2 C287.1 C288.2 C289.2 D3.2 D4.1 D7.2 IC1.2 IC2.9 J2.3 J2.14 J2.16 J2.18 J2.20 J2.25 J2.27 J2.29 J2.31 J3.1 J3.3 J3.5 J3.7 J3.9 J3.11 J3.13 J4.5 J4.6 J4.7 J4.8 J4.33 J4.34 J4.67 J4.68 J4.73 J5.3 J5.29 J5.30 J5.59 J5.60 J5.77 J5.78 J6.2 J7.G1 J7.G2 J7.G3 J7.G4 J7.G5 J7.G6 J7.G7 J7.G8 J8.A4 J8.A12 J8.A15 J8.A18 J8.A20 J8.A23 J8.A24 J8.A27 J8.A28 J8.A31 J8.B4 J8.B7 J8.B13 J8.B16 J8.B18 J8.B21 J8.B22 J8.B25 J8.B26 J8.B29 J8.B32 J9.2 J9.4 J9.6 J9.8 J10.2 J11.2 J12.2 J13.2 J14.2 J15.2 J15.4 J15.6 J15.8 J16.2 J17.2 J18.2 J19.2 J20.4 J20.5 J20.6 J21.2 J21.3 J22.2 J25.1 J25.2 J25.3 J25.4 J25.5 J25.6 J25.7 J25.8 J25.9 J25.10 J25.11 J25.12 J25.13 J25.14 J25.15 J25.16 J25.17 J25.18 J25.19 J25.20 L2.2 Q1.1 Q1.4 Q3.1 Q3.3 R5.2 R8.2 R14.2 R24.2 R26.2 R35.2 R49.2 R50.2 R51.2 R52.2 R56.1 R57.1 R58.2 R71.2 R72.2 R75.1 R78.2 R80.2 R81.2 R83.2 R84.2 R89.2 R91.2 R93.2 R96.2 SW1.1 TR1.1 TR2.3 U1.2 U1.5 U2.1 U3.1 U4.2 U5.15 U5.20 U5.21 U5.24 U5.37 U5.46 U6.8 U6.19 U6.20 U6.21 U6.31 U6.37 U7.57 U8.10 U8.15 U8.16 U8.17 U8.35 U8.36 U8.41 U9.8 U9.11 U9.21 U9.41 U10.1 U10.14 U10.29 U11.25 U11.29 U11.32 U11.40 U11.41 U13.2 U13.3 U13.10 U13.11 U13.30 U13.49 U14.6 U14.17 U15.6 U15.17 U16.6 U16.17 U17.3 U17.7 U19.4 U19.9 U20.4 U20.9 U21.4 U21.9 U22.2 U23.5 U24.8 U25.2 U25.9 Y1.2 Y1.4
VBATT: J5.79
224_MGTTX0_N: C46.1 J7.04
224_MGTTX0_P: C45.1 J7.02
224_MGTTX1_N: C48.1 J7.08
224_MGTTX1_P: C47.1 J7.06
224_MGTTX2_N: C53.1 J7.12
224_MGTTX2_P: C52.1 J7.10
224_MGTTX3_N: C51.1 J7.16
224_MGTTX3_P: C50.1 J7.14
225_MGTRX0_N: J7.23 J8.B28
225_MGTRX0_P: J7.21 J8.B27
225_MGTRX1_N: J7.27 J8.B24
225_MGTRX1_P: J7.25 J8.B23
225_MGTRX2_N: J7.31 J8.B20
225_MGTRX2_P: J7.29 J8.B19
225_MGTRX3_N: J7.35 J8.B15
225_MGTRX3_P: J7.33 J8.B14
225_MGTTX0_N: C19.2 J7.24
225_MGTTX0_P: C15.2 J7.22
225_MGTTX1_N: C17.2 J7.28
225_MGTTX1_P: C13.2 J7.26
225_MGTTX2_N: C18.2 J7.32
225_MGTTX2_P: C14.2 J7.30
225_MGTTX3_N: C16.2 J7.36
225_MGTTX3_P: C12.2 J7.34
/AD9152/IOUT+: R39.1 T1.3 U7.53
/AD9152/IOUT-: R37.1 T1.5 U7.52
/AD9152/QOUT+: R38.1 T2.5 U7.44
/AD9152/QOUT-: R40.1 T2.3 U7.45
/AD9152/REF+: C38.1 R32.1 U7.3
/AD9152/REF-: C39.1 R32.2 U7.4
/AD9152/S0_N: C46.2 U7.16
/AD9152/S0_P: C45.2 U7.15
/AD9152/S1_N: C48.2 U7.19
/AD9152/S1_P: C47.2 U7.18
/AD9152/S2_N: C53.2 U7.24
/AD9152/S2_P: C52.2 U7.25
/AD9152/S3_N: C51.2 U7.27
/AD9152/S3_P: C50.2 U7.28
/AD9152/SREF+: C40.1 R33.1 U7.6
/AD9152/SREF-: C41.1 R33.2 U7.7
/Adc_Dac/A.CLKIO: J1.12 J4.24 U9.13
/Adc_Dac/A.CS: J1.4 J4.20 U9.17
/Adc_Dac/A.DIN: J1.8 J4.26 U9.15
/Adc_Dac/A.DOUT: J1.10 J4.28 U9.14
/Adc_Dac/A.ERROR: J1.2 J4.18 U9.18
/Adc_Dac/A.SCLK: J1.6 J4.22 U9.16
/Adc_Dac/AIN0: R51.1 U9.2
/Adc_Dac/AIN1: R49.1 U9.3
/Adc_Dac/AIN2: R52.1 U9.4
/Adc_Dac/AIN3: R50.1 U9.5
/Adc_Dac/AIN8: C138.1 C143.1 R47.1 U9.30
/Adc_Dac/AIN9: C137.1 C142.1 R46.1 U9.31
/Adc_Dac/AIN10: U9.32
/Adc_Dac/AIN11: U9.33
/Adc_Dac/AIN12: U9.34
/Adc_Dac/AIN13: U9.35
/Adc_Dac/AIN14: U9.36
/Adc_Dac/AIN15: U9.37
/Adc_Dac/AIN16: C136.1 C141.1 R48.1 U9.1
/Adc_Dac/D.~{CLR}: R44.2 U8.20
/Adc_Dac/D.~{LDAC}: R42.2 U8.18
/Adc_Dac/D.~{RESET}: R43.2 U8.19
/Adc_Dac/DA_VSS: C126.2 C279.1 C280.1 JP12.2 U8.32 U8.39
/Adc_Dac/GPIO0: U9.23
/Adc_Dac/GPIO1: U9.24
/Adc_Dac/GPO2: U9.25
/Adc_Dac/OUT0: J9.7 U8.5
/Adc_Dac/OUT1: J9.5 U8.6
/Adc_Dac/OUT2: J9.3 U8.7
/Adc_Dac/OUT3: J9.1 U8.8
/Adc_Dac/OUT4: J15.7 U8.23
/Adc_Dac/OUT5: J15.5 U8.24
/Adc_Dac/OUT6: J15.3 U8.25
/Adc_Dac/OUT7: J15.1 U8.26
/Adc_Dac/REFO: TP7.1 U9.6
/Adc_Dac/TEMP: TP6.1 U8.22
/Adc_Dac/~{ALMOUT}: R45.2 U8.21
/Clocks/CLK_5V: C269.1 C289.1 JP9.2 R59.1 R61.1
/Clocks/CLKCHIP_N: C181.1 R63.1 U10.13
/Clocks/CLKCHIP_P: C180.1 R63.2 U10.12
/Clocks/CP: C152.2 R53.1 U11.34
/Clocks/FPGA10_N: C273.1 U10.19
/Clocks/FPGA10_P: C271.1 U10.18
/Clocks/FPGA_DEVCLK_N: J7.20 U11.8
/Clocks/FPGA_DEVCLK_P: J7.18 U11.9
/Clocks/FPGA_FREE_N: C270.1 U11.14
/Clocks/FPGA_FREE_P: C272.1 U11.15
/Clocks/FPGA_SYSREF_N: C275.1 U11.11
/Clocks/FPGA_SYSREF_P: C274.1 U11.12
/Clocks/REF+: C180.2 U11.37
/Clocks/REF-: C181.2 U11.36
/Clocks/TUNE: C158.2 R53.2 R54.2 U11.23
/Clocks/VOUT+: C150.1 C151.2 C154.1 C155.2 C159.1 C160.2 C163.1 C164.2 C166.1 C167.2 C169.1 C174.2 C178.2 C235.1 C242.1 C249.1 JP5.2 U11.1 U11.4 U11.7 U11.10 U11.13 U11.16 U11.21 U11.35
/CS_AD: J1.33 J4.51 U7.41
/CS_DA: J1.29 J4.47 U8.14
/CS_L: J1.31 J4.49 U11.17
/G_3V8: C277.1 C286.1 R97.1 U22.5 U23.8
/MC3/226_MGTREFCLK0_N: J7.40
/MC3/226_MGTREFCLK0_P: J7.38
/MC3/226_MGTTX0_N: J7.44
/MC3/226_MGTTX0_P: J7.42
/MC3/226_MGTTX1_N: J7.48
/MC3/226_MGTTX1_P: J7.46
/MC3/226_MGTTX2_N: J7.52
/MC3/226_MGTTX2_P: J7.50
/MC3/226_MGTTX3_N: J7.56
/MC3/226_MGTTX3_P: J7.54
/MC3/B67_L13GC_N: J7.71 J23.6
/MC3/B67_L13GC_P: J7.69 J23.8
/MC3/B67_L15N: J7.59 J23.18
/MC3/B67_L15P: J7.57 J23.20
/MC3/B67_L16N: J7.68 J23.11
/MC3/B67_L16P: J7.66 J23.9
/MC3/B67_L17N: J7.64 J23.7
/MC3/B67_L17P: J7.62 J23.5
/MC3/B67_L18N: J7.67 J23.10
/MC3/B67_L18P: J7.65 J23.12
/MC3/B67_L19N: J7.76 J23.19
/MC3/B67_L19P: J7.74 J23.17
/MC3/B67_L20N: J7.39 J23.22
/MC3/B67_L20P: J7.37 J23.24
/MC3/B67_L21N: J7.75 J23.2
/MC3/B67_L21P: J7.73 J23.4
/MC3/B67_L22N: J7.63 J23.14
/MC3/B67_L22P: J7.61 J23.16
/MC3/B67_L23N: J7.79 J23.23
/MC3/B67_L23P: J7.77 J23.21
/MC3/B67_L24N: J7.72 J23.15
/MC3/B67_L24P: J7.70 J23.13
/MC3/B67_T3U_N12: J7.78 R4.2
/MC3/MGT_RXN0_224: J7.03
/MC3/MGT_RXN0_226: J7.43
/MC3/MGT_RXN1_224: J7.07
/MC3/MGT_RXN1_226: J7.47
/MC3/MGT_RXN2_224: J7.11
/MC3/MGT_RXN2_226: J7.51
/MC3/MGT_RXN3_224: J7.15
/MC3/MGT_RXN3_226: J7.55
/MC3/MGT_RXP0_224: J7.01
/MC3/MGT_RXP0_226: J7.41
/MC3/MGT_RXP1_224: J7.05
/MC3/MGT_RXP1_226: J7.45
/MC3/MGT_RXP2_224: J7.09
/MC3/MGT_RXP2_226: J7.49
/MC3/MGT_RXP3_224: J7.13
/MC3/MGT_RXP3_226: J7.53
/MC12/B64_L3N: J2.15 J5.15
/MC12/B64_L3P: J2.13 J5.13
/MC12/B64_L5N: J2.7 J5.7
/MC12/B64_L5P: J2.5 J5.5
/MC12/B64_L6N: J2.11 J5.11
/MC12/B64_L6P: J2.9 J5.9
/MC12/B64_L7N: J2.23 J5.23
/MC12/B64_L7P: J2.21 J5.21
/MC12/B64_L9N: J2.8 J5.24
/MC12/B64_L9P: J2.6 J5.22
/MC12/B64_L10N: J2.12 J5.28
/MC12/B64_L10P: J2.10 J5.26
/MC12/B64_L16N: J5.51
/MC12/B64_L16P: J5.49
/MC12/B64_L17N: J5.44
/MC12/B64_L17P: J5.42
/MC12/B64_L19N: J2.19 J5.19
/MC12/B64_L19P: J2.17 J5.17
/MC12/B64_L20N: C285.2 J5.40
/MC12/B64_L20P: C284.1 J5.38
/MC12/B64_L21N: C282.1 J5.36
/MC12/B64_L21P: C283.2 J5.34
/MC12/B64_L22N: J5.52
/MC12/B64_L22P: J5.50 R3.2
/MC12/B64_L23N: J5.55
/MC12/B64_L23P: J5.53
/MC12/B64_L24N: J5.48 R2.2
/MC12/B64_L24P: J5.46 R1.2
/MC12/B64_T0U_N12: J5.32
/MC12/B64_T1U_N12: J5.31
/MC12/B64_T2U_N12: J5.57
/MC12/B64_T3U_N12: J2.22 J5.58
/MC12/B84_HDGC_L5N: J2.38 J5.76
/MC12/B84_HDGC_L5P: J2.36 J5.74
/MC12/B84_HDGC_L7N: J1.36 J4.62
/MC12/B84_HDGC_L7P: J1.34 J4.60
/MC12/B84_L1N: J2.26 J5.64
/MC12/B84_L1P: J2.24 J5.62
/MC12/B84_L2N: J2.39 J5.71
/MC12/B84_L2P: J2.37 J5.69
/MC12/B84_L3N: J2.34 J5.72
/MC12/B84_L3P: J2.32 J5.70
/MC12/B84_L4N: J2.35 J5.63
/MC12/B84_L4P: J2.33 J5.61
/MC12/B84_L9N: J2.30 J5.68
/MC12/B84_L9P: J2.28 J5.66
/MC12/B84_L10N: J4.61
/MC12/B84_L10P: J4.59
/MC12/B84_L11N: J4.66
/MC12/B84_L11P: J4.64
/MC12/B84_L12N: J4.65
/MC12/B84_L12P: J4.63
/MC12/B86_HDGC_L5N: J1.32 J4.58
/MC12/B86_HDGC_L5P: J1.30 J4.56
/MC12/B86_HDGC_L6N: J1.28 J4.54
/MC12/B86_HDGC_L6P: J1.26 J4.52
/MC12/B86_HDGC_L7N: J1.16 J4.42
/MC12/B86_HDGC_L7P: J1.14 J4.40
/MC12/B86_L2N: J1.24 J4.50
/MC12/B86_L2P: J1.22 J4.48
/MC12/B86_L10N: J1.20 J4.46
/MC12/B86_L10P: J1.18 J4.44
/MC12/B86_L11N: J4.38
/MC12/B86_L11P: J4.36
/MC12/B87_HDGC_L5N: J1.15 J4.31
/MC12/B87_HDGC_L5P: J1.13 J4.29
/MC12/B87_HDGC_L6N: J1.3 J4.19
/MC12/B87_HDGC_L6P: J1.1 J4.17 J6.1
/MC12/B87_HDGC_L7N: J1.11 J4.27
/MC12/B87_HDGC_L7P: J1.9 J4.25